# Altium PCB PCB_Kasli.PCBDOC (part 7 of 14)
Units mm, origin at the board's own origin, x right, y up, seen from the top; angles counter-clockwise.
Board outline 162.29 x 100 mm, 6 copper layers (TopLayer, MidLayer1, MidLayer2, SignalLayer1, Internal Plane 1, BottomLayer), stack 1.528 mm thick; 646 components, 567 nets, 2756 pads, 1560 vias.
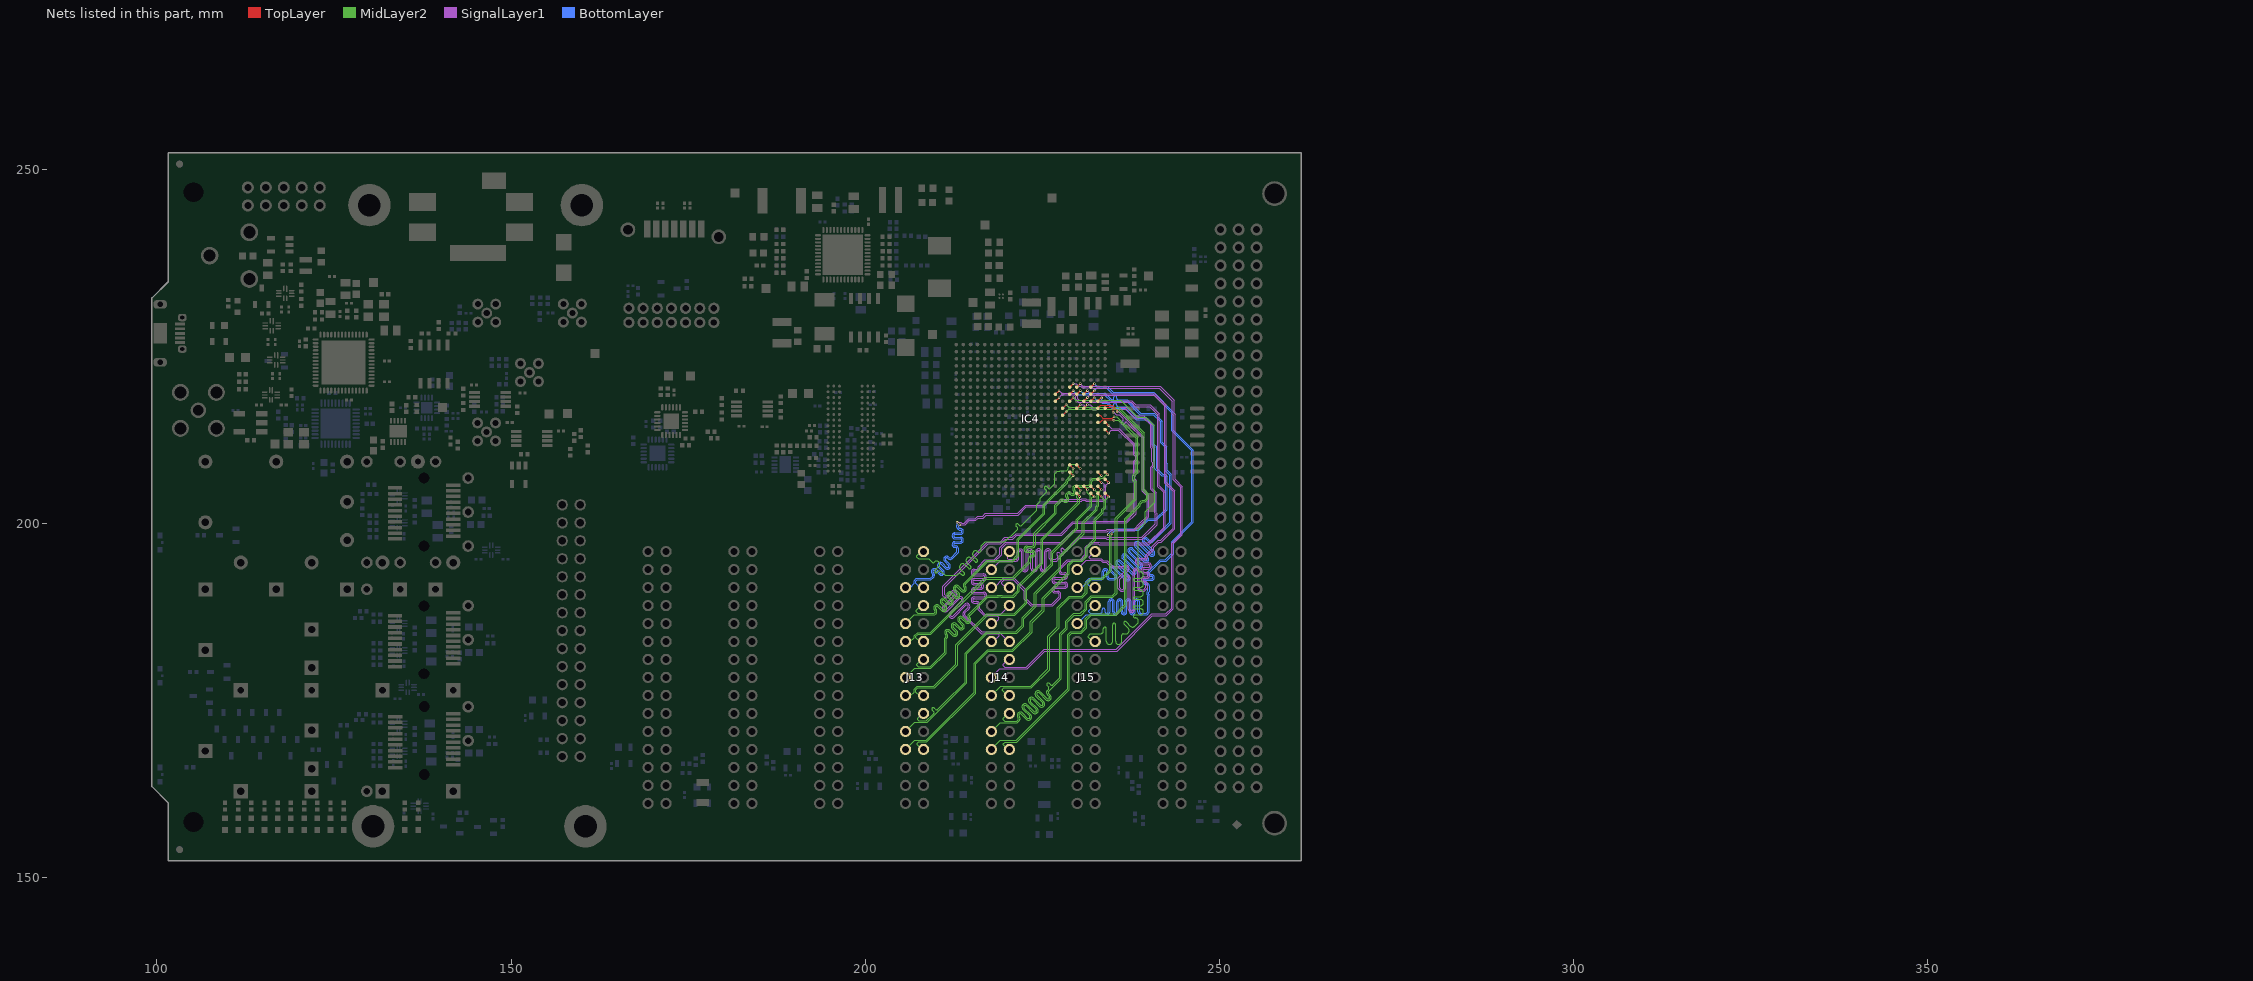
[diagram p11: the nets of this part, all layers, seen from the top]

## Via types
v1: diameter 0.5, hole 0.2, TopLayer to BottomLayer, tented both sides, 724 vias
v2: diameter 0.35, hole 0.15, TopLayer to BottomLayer, tented both sides, 628 vias
v3: diameter 0.8, hole 0.5, TopLayer to BottomLayer, tented both sides, 122 vias
v4: diameter 0.8, hole 0.5, TopLayer to BottomLayer, 66 vias
v5: diameter 0.5, hole 0.2, TopLayer to BottomLayer, 20 vias

## Nets (pads, with @x,y where several pads share a name; then routed paths per layer and width w, separated by ;. In a path a pad name is that pad's centre, name@x,y a point inside that pad or via, vN(x,y) a via of type N, cw(c..) or ccw(c..) an arc to the next point about the centre after c; other vN are vias at no path point) (continued)
EXT4.LVDS_0_P: IC4.V18 J13.2 | length 45.1
  TopLayer w0.095: IC4.V18@229.872,208.315 v2(230.372,207.815)
  MidLayer2 w0.115: J13.2@207.899,196.088 207.315,195.504 207.315,195.275 207.537,195.053 208.973,195.053 209.455,194.571 ccw(c209.602,194.717) 209.749,194.571 209.784,194.606 cw(c210.097,194.293) 210.539,194.293 cw(c210.097,194.293) 210.41,193.98 209.879,193.45 ccw(c210.026,193.303) 209.879,193.157 ccw(c210.026,193.303) 210.173,193.157 210.208,193.192 cw(c210.521,192.879) 210.834,193.192 211.291,192.735 212.928,192.735 213.018,192.825 cw(c213.33,192.512) 213.643,192.825 213.679,192.789 ; 213.679,192.789 ccw(c213.825,192.936) 213.972,192.789 ccw(c213.825,192.936) 214.033,192.936 ccw(c213.825,192.936) 213.972,193.083 213.442,193.613 cw(c213.755,193.926) 213.442,194.239 cw(c213.755,193.926) 214.068,194.239 214.598,193.708 ccw(c214.745,193.855) 214.891,193.708 ; 214.892,193.709 ccw(c214.745,193.855) 214.952,193.855 ccw(c214.745,193.855) 214.891,194.002 214.361,194.532 cw(c214.674,194.845) 214.361,195.158 cw(c214.674,194.845) 214.987,195.158 215.517,194.628 ccw(c215.664,194.774) 215.81,194.627 ; 215.811,194.628 ccw(c215.664,194.774) 215.871,194.774 ccw(c215.664,194.774) 215.811,194.921 215.28,195.451 cw(c215.593,195.764) 215.28,196.077 cw(c215.593,195.764) 215.906,196.077 215.941,196.042 ccw(c216.088,196.189) 216.235,196.042 216.382,196.189 216.382,196.876 216.946,197.441 219.742,197.441 221.326,199.025 221.495,199.193 ccw(c221.348,199.34) 221.495,199.487 221.319,199.662 cw(c221.466,199.809) 221.319,199.956 cw(c221.466,199.809) 221.613,199.956 221.788,199.78 ccw(c221.935,199.927) 222.082,199.78 222.228,199.927 222.375,200.074 224.199,201.898 224.199,202.682 224.7,203.182 224.7,203.584 225.379,204.262 225.406,204.289 225.552,204.436 ccw(c225.406,204.583) 225.552,204.73 225.351,204.931 cw(c225.498,205.078) 225.351,205.225 cw(c225.498,205.078) 225.644,205.225 225.846,205.023 ccw(c225.993,205.17) 226.139,205.023 226.286,205.17 226.433,205.317 226.755,205.638 226.755,207.071 227.136,207.453 227.47,207.453 227.545,207.528 228.445,207.528 228.669,207.752 228.669,207.985 229.116,208.432 229.692,208.432 v2@230.31,207.815 ; v2@230.341,207.784 v2(230.372,207.815)
EXT4.LVDS_1_N: IC4.Y22 J13.6 | length 48.4
  TopLayer w0.095: IC4.Y22@233.872,206.315 v2(234.372,205.815)
  SignalLayer1 w0.115: v2@213.363,199.854 v2(213.363,199.87) 214.12,199.87 214.73,200.48 215.63,200.48 215.969,200.819 216.669,200.819 217.088,201.238 221.609,201.238 222.771,202.4 225.225,202.4 225.8,202.975 227.486,202.975 227.714,203.203 230.572,203.203 230.671,203.302 231.05,203.302 231.155,203.197 233.628,203.197 233.99,203.559 233.99,205.432 v2(234.372,205.815)
  BottomLayer w0.095: J13.6@208.244,191.008 207.721,191.008 207.137,191.592 207.137,191.897 207.323,192.083 209.286,192.083 209.68,192.478 ccw(c209.385,192.773) 209.802,192.773 ccw(c209.385,192.773) 209.68,193.068 209.62,193.129 cw(c209.76,193.268) 209.62,193.407 ; 209.62,193.408 cw(c209.76,193.268) 209.899,193.408 210.454,192.853 ccw(c210.75,193.148) 211.045,192.853 ccw(c210.75,193.148) 211.167,193.148 ccw(c210.75,193.148) 211.045,193.443 210.49,193.998 cw(c210.629,194.138) 210.489,194.277 ; 210.49,194.278 cw(c210.629,194.138) 210.769,194.278 211.324,193.723 ccw(c211.619,194.018) 211.915,193.723 ccw(c211.619,194.018) 212.037,194.018 ccw(c211.619,194.018) 211.915,194.313 211.36,194.868 cw(c211.499,195.008) 211.359,195.147 cw(c211.499,195.008) 211.639,195.147 211.699,195.087 ccw(c211.994,195.382) 212.289,195.087 213.182,195.98 213.182,196.467 ccw(c212.765,196.467) 212.765,196.885 212.68,196.885 cw(c212.68,197.082) 212.482,197.082 cw(c212.68,197.082) 212.68,197.28 213.465,197.28 ccw(c213.465,197.697) 213.882,197.697 ccw(c213.465,197.697) 213.465,198.115 212.68,198.115 cw(c212.68,198.312) 212.482,198.312 cw(c212.68,198.312) 212.68,198.51 213.465,198.51 ccw(c213.465,198.927) 213.882,198.927 ccw(c213.465,198.927) 213.465,199.345 213.38,199.345 cw(c213.38,199.542) 213.182,199.542 213.182,199.69 v2(213.363,199.87)
EXT4.LVDS_1_P: IC4.Y21 J13.5 | length 48.9
  TopLayer w0.095: IC4.Y21@232.872,206.315 v2(233.372,205.815)
  SignalLayer1 w0.115: v2@213.03,200.203 213.154,200.203 213.204,200.253 213.521,200.253 213.668,200.105 214.023,200.105 214.633,200.715 215.533,200.715 215.871,201.054 216.571,201.054 216.99,201.473 221.511,201.473 222.673,202.635 225.128,202.635 225.703,203.21 227.389,203.21 227.647,203.468 230.112,203.468 230.128,203.452 230.489,203.452 230.574,203.537 231.147,203.537 231.252,203.432 233.53,203.432 233.755,203.657 233.755,205.57 v2@233.441,205.884
  BottomLayer w0.095: J13.5@205.704,191.008 206.333,191.008 206.917,191.592 206.917,191.988 207.232,192.303 209.194,192.303 209.525,192.634 ccw(c209.385,192.773) 209.582,192.773 ccw(c209.385,192.773) 209.525,192.913 209.464,192.973 cw(c209.76,193.268) 209.464,193.563 cw(c209.76,193.268) 210.055,193.563 210.61,193.008 ccw(c210.75,193.148) 210.889,193.008 ccw(c210.75,193.148) 210.947,193.148 ccw(c210.75,193.148) 210.889,193.288 210.334,193.843 cw(c210.629,194.138) 210.334,194.433 cw(c210.629,194.138) 210.925,194.433 211.48,193.878 ccw(c211.619,194.018) 211.759,193.878 ccw(c211.619,194.018) 211.817,194.018 ccw(c211.619,194.018) 211.759,194.157 211.204,194.712 cw(c211.499,195.008) 211.204,195.303 cw(c211.499,195.008) 211.794,195.303 211.855,195.243 ccw(c211.994,195.382) 212.134,195.243 212.962,196.071 212.962,196.467 ccw(c212.765,196.467) 212.765,196.665 212.68,196.665 cw(c212.68,197.082) 212.262,197.082 cw(c212.68,197.082) 212.68,197.5 213.465,197.5 ccw(c213.465,197.697) 213.662,197.697 ccw(c213.465,197.697) 213.465,197.895 212.68,197.895 cw(c212.68,198.312) 212.262,198.312 cw(c212.68,198.312) 212.68,198.73 213.465,198.73 ccw(c213.465,198.927) 213.662,198.927 ccw(c213.465,198.927) 213.465,199.125 213.38,199.125 cw(c213.38,199.542) 212.962,199.542 212.962,199.781 212.99,199.809 212.99,200.163 213.001,200.174 v2@213.03,200.203
  other v2: 212.975,200.2
EXT4.LVDS_2_N: IC4.W17 J13.9 | length 43.8
  TopLayer w0.095: IC4.W17@228.872,207.315 v2(229.372,206.815)
  MidLayer2 w0.115: J13.9@205.704,185.928 206.942,187.166 209.848,187.166 210.007,187.324 ccw(c209.694,187.637) 210.136,187.637 ccw(c209.694,187.637) 210.007,187.95 209.971,187.986 cw(c210.118,188.132) 209.971,188.279 ; 209.971,188.279 cw(c210.118,188.132) 210.265,188.279 210.795,187.749 ccw(c211.108,188.062) 211.421,187.749 ccw(c211.108,188.062) 211.55,188.062 ccw(c211.108,188.062) 211.421,188.374 210.89,188.905 cw(c211.037,189.051) 210.89,189.198 ; 210.891,189.199 cw(c211.037,189.051) 211.184,189.198 211.714,188.668 ccw(c212.027,188.981) 212.34,188.668 ccw(c212.027,188.981) 212.47,188.981 ccw(c212.027,188.981) 212.34,189.294 211.81,189.824 cw(c211.956,189.971) 211.809,190.117 ; 211.81,190.117 cw(c211.956,189.971) 212.103,190.117 212.633,189.587 ccw(c212.946,189.9) 213.259,189.587 ccw(c212.946,189.9) 213.389,189.9 ccw(c212.946,189.9) 213.259,190.213 212.729,190.743 cw(c212.876,190.89) 212.728,191.036 ; 212.729,191.037 cw(c212.876,190.89) 213.022,191.037 213.553,190.506 ccw(c213.866,190.819) 214.179,190.506 ccw(c213.866,190.819) 214.308,190.819 ccw(c213.866,190.819) 214.179,191.132 214.143,191.168 cw(c214.29,191.314) 214.143,191.461 217.341,194.659 220.845,194.659 221.716,195.53 221.716,197.736 225.374,201.394 225.374,202.609 228.6,205.835 228.6,206.043 229.225,206.667 v2(229.372,206.815)
EXT4.LVDS_2_P: IC4.V17 J13.8 | length 43.7
  TopLayer w0.095: IC4.V17@228.872,208.315 v2(229.372,207.815)
  MidLayer2 w0.115: J13.8@207.874,188.468 207.239,187.833 207.239,187.579 207.416,187.401 209.751,187.401 209.84,187.491 ccw(c209.694,187.637) 209.901,187.637 ccw(c209.694,187.637) 209.84,187.784 209.805,187.819 cw(c210.118,188.132) 209.805,188.445 cw(c210.118,188.132) 210.431,188.445 210.961,187.915 ccw(c211.108,188.062) 211.254,187.914 ccw(c211.108,188.062) 211.315,188.062 ccw(c211.108,188.062) 211.255,188.208 210.724,188.739 cw(c211.037,189.051) 210.724,189.364 cw(c211.037,189.051) 211.35,189.364 211.88,188.834 ccw(c212.027,188.981) 212.174,188.834 ; 212.174,188.834 ccw(c212.027,188.981) 212.235,188.981 ccw(c212.027,188.981) 212.174,189.127 211.644,189.658 cw(c211.956,189.971) 211.644,190.284 cw(c211.956,189.971) 212.269,190.284 212.8,189.753 ccw(c212.946,189.9) 213.093,189.753 ; 213.093,189.753 ccw(c212.946,189.9) 213.154,189.9 ccw(c212.946,189.9) 213.093,190.047 212.563,190.577 cw(c212.876,190.89) 212.563,191.203 cw(c212.876,190.89) 213.189,191.203 213.719,190.673 ccw(c213.866,190.819) 214.012,190.672 ; 214.012,190.673 ccw(c213.866,190.819) 214.073,190.819 ccw(c213.866,190.819) 214.012,190.966 213.977,191.001 cw(c214.29,191.314) 213.977,191.627 217.244,194.894 220.748,194.894 221.481,195.627 221.481,197.833 225.139,201.492 225.139,202.707 228.365,205.933 228.365,206.14 228.99,206.765 228.99,206.973 229.372,207.356 v2(229.372,207.815)
EXT4.LVDS_3_N: IC4.W22 J13.12 | length 45.4
  TopLayer w0.095: IC4.W22@233.872,207.315 v2@234.252,206.935
  MidLayer2 w0.115: J13.12@208.244,183.388 207.696,183.388 207.162,183.921 207.162,184.097 207.488,184.423 209.292,184.423 217.064,192.195 220.909,192.195 223.358,194.644 223.358,195.128 cw(c223.566,195.128) 223.566,195.336 223.616,195.336 ccw(c223.616,195.778) 224.058,195.778 ccw(c223.616,195.778) 223.616,196.221 222.866,196.221 cw(c222.866,196.428) 222.866,196.636 223.616,196.636 ccw(c223.616,197.078) 224.058,197.078 224.058,198.554 226.981,201.477 226.981,202.514 227.662,203.195 cw(c227.809,203.048) 227.955,203.195 227.991,203.16 ccw(c228.304,203.473) 228.746,203.473 ccw(c228.304,203.473) 228.616,203.786 228.581,203.821 cw(c228.728,203.968) 228.581,204.114 228.705,204.238 cw(c228.802,204.141) 228.9,204.238 228.984,204.154 ccw(c229.297,204.466) 229.74,204.466 ccw(c229.297,204.466) 229.61,204.779 229.575,204.815 cw(c229.721,204.961) 229.575,205.108 229.664,205.197 230.098,205.197 230.122,205.173 230.634,205.173 230.658,205.197 231.641,205.197 231.99,205.546 231.99,205.973 232.214,206.197 233.087,206.197 233.322,206.432 233.53,206.432 234.033,206.935 v2(234.261,206.935)
EXT4.LVDS_3_P: IC4.W21 J13.11 | length 45.1
  TopLayer w0.095: IC4.W21@232.872,207.315 v2(233.372,206.815)
  MidLayer2 w0.115: J13.11@205.704,183.388 206.394,183.388 206.927,183.921 206.927,184.194 207.391,184.658 209.194,184.658 216.967,192.43 220.812,192.43 223.123,194.742 223.123,195.128 cw(c223.566,195.128) 223.566,195.571 223.616,195.571 ccw(c223.616,195.778) 223.823,195.778 ccw(c223.616,195.778) 223.616,195.986 222.866,195.986 cw(c222.866,196.428) 222.866,196.871 223.616,196.871 ccw(c223.616,197.078) 223.823,197.078 223.823,198.652 226.746,201.574 226.746,202.612 227.496,203.361 cw(c227.809,203.048) 228.121,203.361 228.157,203.326 ccw(c228.304,203.473) 228.45,203.326 ccw(c228.304,203.473) 228.511,203.473 ccw(c228.304,203.473) 228.45,203.619 228.415,203.655 cw(c228.728,203.968) 228.415,204.281 228.539,204.404 cw(c228.802,204.141) 229.066,204.404 229.15,204.32 ccw(c229.297,204.466) 229.444,204.319 ; 229.444,204.32 ccw(c229.297,204.466) 229.505,204.466 ccw(c229.297,204.466) 229.444,204.613 229.409,204.649 cw(c229.721,204.961) 229.409,205.274 229.567,205.432 230.195,205.432 230.22,205.408 230.536,205.408 230.561,205.432 231.544,205.432 231.755,205.643 231.755,206.071 232.116,206.432 232.99,206.432 v2(233.372,206.815)
EXT4.LVDS_4_N: IC4.AB18 J13.15 | length 46.4
  TopLayer w0.095: IC4.AB18@229.872,204.315 230.319,203.868 230.352,203.835 v2(230.286,203.835)
  MidLayer2 w0.115: J13.15@205.704,178.308 206.993,179.597 209.292,179.597 211.455,181.76 211.455,183.744 211.544,183.833 ccw(c211.231,184.146) 211.674,184.146 ccw(c211.231,184.146) 211.544,184.459 211.509,184.494 ; 211.509,184.494 cw(c211.656,184.641) 211.509,184.787 cw(c211.656,184.641) 211.802,184.788 212.333,184.257 ccw(c212.646,184.57) 212.959,184.257 ccw(c212.646,184.57) 213.088,184.57 ccw(c212.646,184.57) 212.959,184.883 212.428,185.413 cw(c212.575,185.56) 212.428,185.706 ; 212.429,185.707 cw(c212.575,185.56) 212.722,185.707 213.252,185.176 ccw(c213.565,185.489) 213.878,185.176 ccw(c213.565,185.489) 214.007,185.489 ccw(c213.565,185.489) 213.878,185.802 213.347,186.333 cw(c213.494,186.479) 213.347,186.626 ; 213.347,186.626 cw(c213.494,186.479) 213.641,186.626 214.171,186.096 ccw(c214.484,186.409) 214.797,186.096 ccw(c214.484,186.409) 214.927,186.409 ccw(c214.484,186.409) 214.797,186.721 214.762,186.757 cw(c214.908,186.904) 214.762,187.05 217.341,189.63 218.791,189.63 218.852,189.692 219.169,189.692 219.231,189.63 220.948,189.63 221.777,190.459 221.777,191.145 225.069,194.437 225.069,197.739 230.286,202.956 v2(230.286,203.835)
EXT4.LVDS_4_P: IC4.AA18 J13.14 | length 46.6
  TopLayer w0.095: IC4.AA18@229.872,205.315 230.378,204.809 v2(230.378,204.775)
  MidLayer2 w0.115: J13.14@208.244,180.848 207.95,180.848 207.289,180.188 207.289,180.01 207.467,179.832 209.194,179.832 211.22,181.858 211.22,183.841 211.378,183.999 ccw(c211.231,184.146) 211.439,184.146 ccw(c211.231,184.146) 211.378,184.293 211.343,184.328 cw(c211.656,184.641) 211.343,184.954 cw(c211.656,184.641) 211.969,184.954 212.499,184.423 ccw(c212.646,184.57) 212.792,184.423 ccw(c212.646,184.57) 212.853,184.57 ccw(c212.646,184.57) 212.792,184.717 212.262,185.247 cw(c212.575,185.56) 212.262,185.873 cw(c212.575,185.56) 212.888,185.873 213.418,185.343 ccw(c213.565,185.489) 213.712,185.343 ccw(c213.565,185.489) 213.772,185.489 ccw(c213.565,185.489) 213.712,185.636 213.181,186.166 cw(c213.494,186.479) 213.181,186.792 cw(c213.494,186.479) 213.807,186.792 214.337,186.262 ccw(c214.484,186.409) 214.63,186.261 ; 214.631,186.262 ccw(c214.484,186.409) 214.692,186.409 ccw(c214.484,186.409) 214.631,186.555 214.596,186.591 cw(c214.908,186.904) 214.596,187.216 217.244,189.865 218.693,189.865 218.755,189.927 219.266,189.927 219.328,189.865 220.851,189.865 221.542,190.557 221.542,191.242 224.834,194.534 224.834,197.836 230.051,203.053 230.051,203.529 229.904,203.677 229.904,203.993 230.128,204.217 230.234,204.217 230.378,204.362 v2(230.378,204.775)
EXT4.LVDS_5_N: IC4.AB20 J13.18 | length 43.7
  TopLayer w0.095: IC4.AB20@231.872,204.315 v2(232.372,203.815)
  MidLayer2 w0.115: J13.18@208.244,175.768 207.645,175.768 207.162,176.251 207.162,176.555 207.461,176.854 209.8,176.854 213.055,180.109 213.055,182.829 217.291,187.065 221.126,187.065 222.848,188.787 222.848,190.59 226.517,194.259 226.517,195.875 230.01,199.368 230.01,200.475 232.029,202.494 232.029,203.682 232.161,203.815 v2(232.372,203.815)
EXT4.LVDS_5_P: IC4.AA19 J13.17 | length 44.8
  TopLayer w0.095: IC4.AA19@230.872,205.315 v2(231.372,204.815)
  MidLayer2 w0.115: J13.17@205.704,175.768 206.445,175.768 206.927,176.251 206.927,176.653 207.363,177.089 209.702,177.089 212.82,180.207 212.82,182.927 217.193,187.3 221.029,187.3 222.613,188.884 222.613,190.687 226.282,194.357 226.282,195.972 227.834,197.524 229.775,199.465 229.775,200.572 231.794,202.591 231.794,203.993 231.372,204.415 v2(231.372,204.815)
EXT4.LVDS_6_N: IC4.AA21 J13.21 | length 49.8
  TopLayer w0.095: IC4.AA21@232.872,205.315 v2(233.372,204.815)
  MidLayer2 w0.115: J13.21@205.704,170.688 206.967,171.952 208.756,171.952 214.351,177.546 214.351,181.654 217.246,184.55 221.38,184.55 222.406,185.576 222.406,186.617 224.13,188.341 224.13,190.119 227.635,193.624 227.635,195.351 230.911,198.628 230.911,200.125 232.764,201.977 232.764,202.31 232.99,202.536 232.99,204.432 v2(233.372,204.815)
EXT4.LVDS_6_P: IC4.AA20 J13.20 | length 49.4
  TopLayer w0.095: IC4.AA20@231.872,205.315 v2(232.372,204.815)
  MidLayer2 w0.115: J13.20@208.102,173.228 207.416,172.542 207.416,172.364 207.594,172.187 208.659,172.187 209.547,173.075 209.674,173.201 ccw(c209.527,173.348) 209.674,173.495 209.472,173.696 cw(c209.619,173.843) 209.472,173.99 cw(c209.619,173.843) 209.766,173.99 209.967,173.788 ccw(c210.114,173.935) 210.261,173.788 210.407,173.935 210.701,174.228 210.825,174.353 210.972,174.499 211.199,174.726 214.116,177.643 214.116,181.752 217.149,184.785 221.283,184.785 222.171,185.673 222.171,186.715 223.895,188.438 223.895,190.216 227.4,193.722 227.4,195.449 230.676,198.725 230.676,200.222 232.529,202.075 232.529,202.407 232.755,202.633 232.755,204.432 v2(232.372,204.815)
EXT4.LVDS_7_N: IC4.AB22 J13.24 | length 51.6
  TopLayer w0.095: IC4.AB22@233.872,204.315 v2(234.372,203.815)
  MidLayer2 w0.115: J13.24@208.244,168.148 208.002,168.148 207.325,168.825 207.325,168.996 207.537,169.208 208.731,169.208 215.621,176.098 215.621,180.213 217.392,181.985 220.872,181.985 223.569,184.681 223.569,186.057 225.273,187.761 225.273,189.431 228.829,192.987 228.829,194.132 229.406,194.71 230.628,194.71 231.35,195.432 231.35,196.552 232.575,197.777 232.575,199.319 232.579,199.323 232.579,199.897 232.575,199.9 232.575,200.495 233.654,201.573 233.654,201.941 233.99,202.277 233.99,203.432 v2(234.372,203.815)
EXT4.LVDS_7_P: IC4.AB21 J13.23 | length 51.9
  TopLayer w0.095: IC4.AB21@232.872,204.315 v2(233.372,203.815)
  MidLayer2 w0.115: J13.23@205.704,168.148 206.999,169.443 208.633,169.443 215.386,176.196 215.386,180.31 217.295,182.22 220.775,182.22 223.334,184.779 223.334,186.154 225.038,187.858 225.038,189.528 228.594,193.084 228.594,194.23 229.309,194.945 230.53,194.945 231.115,195.529 231.115,196.649 232.34,197.874 232.34,199.416 232.344,199.42 232.344,199.799 232.34,199.803 232.34,200.627 233.419,201.706 233.419,202.038 233.755,202.374 233.755,203.432 v2(233.372,203.815)
EXT5.LVDS_0_N: IC4.K19 J14.3 | length 70.6
  TopLayer w0.095: IC4.K19@230.872,216.315 v2(231.372,216.815)
  SignalLayer1 w0.115: J14.3@217.823,193.548 219.011,194.735 221.259,194.735 ccw(c221.259,195.178) 221.702,195.178 221.702,195.981 cw(c221.909,195.981) 222.117,195.981 222.117,193.678 ccw(c222.559,193.678) 223.002,193.678 223.002,196.028 cw(c223.209,196.028) 223.417,196.028 223.417,193.678 ccw(c223.859,193.678) 224.302,193.678 224.302,196.028 cw(c224.509,196.028) 224.717,196.028 224.717,193.678 ccw(c225.159,193.678) 225.602,193.678 225.602,196.028 cw(c225.809,196.028) 226.017,196.028 226.017,195.178 ccw(c226.459,195.178) 226.459,194.735 227.024,194.735 227.256,194.968 227.283,194.968 227.358,195.042 ; 227.357,195.043 227.383,195.069 227.383,195.074 227.406,195.096 227.406,195.104 227.426,195.125 227.426,195.127 227.447,195.148 227.447,195.159 227.828,195.54 227.839,195.54 227.854,195.555 227.87,195.555 227.945,195.629 228.019,195.704 228.019,195.72 228.034,195.735 228.034,195.745 228.415,196.127 228.426,196.127 228.447,196.148 228.449,196.148 228.469,196.168 228.477,196.168 228.5,196.191 228.505,196.191 228.531,196.217 228.606,196.29 228.606,196.318 230.251,197.962 233.961,197.962 234.081,197.842 239.172,197.842 239.292,197.962 240.434,199.104 241.217,199.888 241.217,201.462 241.097,201.583 241.097,204.422 240.544,204.974 240.544,207.915 240.817,208.188 240.817,208.762 240.723,208.857 240.723,210.695 240.544,210.873 240.544,214.056 239.356,215.244 238.174,215.244 236.985,216.433 232.618,216.433 232.567,216.381 232.226,216.381 231.792,216.815 v2(231.372,216.815)
EXT5.LVDS_0_P: IC4.K18 J14.2 | length 70.2
  TopLayer w0.095: IC4.K18@229.872,216.315 v2(230.372,216.815)
  SignalLayer1 w0.115: J14.2@220.116,195.841 220.116,195.097 220.243,194.97 221.259,194.97 ccw(c221.259,195.178) 221.467,195.178 221.467,195.981 cw(c221.909,195.981) 222.352,195.981 222.352,193.678 ccw(c222.559,193.678) 222.767,193.678 222.767,196.028 cw(c223.209,196.028) 223.652,196.028 223.652,193.678 ccw(c223.859,193.678) 224.067,193.678 224.067,196.028 cw(c224.509,196.028) 224.952,196.028 224.952,193.678 ccw(c225.159,193.678) 225.367,193.678 225.367,196.028 cw(c225.809,196.028) 226.252,196.028 226.252,195.178 ccw(c226.459,195.178) 226.459,194.97 226.926,194.97 227.178,195.222 ccw(c227.031,195.369) 227.178,195.515 227.101,195.593 cw(c227.247,195.74) 227.101,195.886 cw(c227.247,195.74) 227.394,195.886 227.471,195.809 ccw(c227.618,195.956) 227.765,195.809 ccw(c227.618,195.956) 227.765,196.102 227.688,196.18 cw(c227.834,196.326) 227.688,196.473 cw(c227.834,196.326) 227.981,196.473 228.058,196.396 ccw(c228.205,196.543) 228.352,196.396 228.456,196.5 230.153,198.197 234.058,198.197 234.178,198.077 239.074,198.077 240.982,199.985 240.982,201.365 240.861,201.486 240.861,204.324 240.309,204.876 240.309,208.012 240.582,208.286 240.582,208.665 240.487,208.76 240.487,210.598 240.309,210.776 240.309,213.958 239.259,215.009 238.076,215.009 236.888,216.198 232.715,216.198 232.664,216.146 232.129,216.146 231.842,216.433 231.214,216.433 230.831,216.815 v2(230.372,216.815)
EXT5.LVDS_1_N: IC4.H15 J14.6 | length 74.1
  TopLayer w0.095: IC4.H15@226.872,218.315 v2(227.372,218.815)
  SignalLayer1 w0.115: J14.6@220.363,191.008 219.867,191.008 219.304,191.571 219.304,191.77 219.653,192.119 220.878,192.119 222.498,190.5 222.498,189.336 223.397,188.436 226.462,188.436 227.609,189.583 227.609,190.043 ccw(c227.167,190.043) 227.167,190.485 226.817,190.485 cw(c226.817,190.693) 226.817,190.9 228.167,190.9 ccw(c228.167,191.343) 228.609,191.343 ccw(c228.167,191.343) 228.167,191.785 226.817,191.785 cw(c226.817,191.993) 226.817,192.2 228.167,192.2 ccw(c228.167,192.643) 228.609,192.643 ccw(c228.167,192.643) 228.167,193.085 227.793,193.085 cw(c227.793,193.269) 227.609,193.269 227.609,193.643 228.651,194.685 230.438,194.685 231.343,195.59 231.343,196.612 231.927,197.196 232.941,197.196 233.065,197.072 240.077,197.072 242.373,199.369 242.373,204.556 241.841,205.088 241.825,205.088 241.56,205.353 241.56,215.515 240.272,216.803 238.24,216.803 237.646,217.397 233.217,217.397 233.211,217.403 232.126,217.403 232.097,217.433 230.214,217.433 229.99,217.657 229.99,218.055 229.612,218.433 227.755,218.433 v2(227.372,218.815)
EXT5.LVDS_1_P: IC4.J15 J14.5 | length 73.7
  TopLayer w0.095: IC4.J15@226.872,217.315 v2(227.372,217.815)
  SignalLayer1 w0.115: J14.5@217.823,191.008 218.209,191.008 219.555,192.354 220.976,192.354 222.733,190.597 222.733,189.433 223.495,188.671 226.365,188.671 227.374,189.681 227.374,190.043 ccw(c227.167,190.043) 227.167,190.25 226.817,190.25 cw(c226.817,190.693) 226.817,191.135 228.167,191.135 ccw(c228.167,191.343) 228.374,191.343 ccw(c228.167,191.343) 228.167,191.55 226.817,191.55 cw(c226.817,191.993) 226.817,192.435 228.167,192.435 ccw(c228.167,192.643) 228.374,192.643 ccw(c228.167,192.643) 228.167,192.85 227.793,192.85 cw(c227.793,193.269) 227.374,193.269 227.374,193.741 228.553,194.92 230.34,194.92 231.108,195.687 231.108,196.71 231.829,197.431 231.927,197.431 233.039,197.431 233.162,197.307 239.979,197.307 242.138,199.466 242.138,204.459 241.744,204.853 241.727,204.853 241.325,205.255 241.325,215.417 240.175,216.568 238.143,216.568 237.549,217.162 233.119,217.162 233.113,217.168 232.029,217.168 232,217.198 230.116,217.198 229.755,217.559 229.755,217.957 229.514,218.198 227.755,218.198 v2(227.372,217.815)
EXT5.LVDS_2_N: IC4.K22 J14.9 | length 68.6
  TopLayer w0.095: IC4.K22@233.872,216.315 234.032,216.475 234.85,216.475 235.011,216.314 v2(235.011,215.761)
  SignalLayer1 w0.115: J14.9@218.288,185.928 218.897,186.538 218.897,186.766 218.65,187.014 216.819,187.014 215.944,187.888 215.944,188.595 ccw(c215.737,188.595) 215.737,188.803 215.387,188.803 cw(c215.387,189.245) 215.387,189.688 216.737,189.688 ccw(c216.737,189.895) 216.944,189.895 ccw(c216.737,189.895) 216.737,190.103 215.387,190.103 cw(c215.387,190.545) 215.387,190.988 216.284,190.988 ccw(c216.284,191.195) 216.492,191.195 ccw(c216.284,191.195) 216.284,191.403 215.387,191.403 cw(c215.387,191.845) 215.387,192.288 216.686,192.288 ccw(c216.686,192.495) 216.893,192.495 ccw(c216.686,192.495) 216.686,192.703 215.387,192.703 cw(c215.387,193.145) 215.387,193.588 215.812,193.588 ccw(c215.812,193.72) 215.944,193.72 215.944,193.944 216.92,194.92 218.221,194.92 219.021,195.719 219.021,196.644 219.807,197.431 227.705,197.431 229.367,199.092 234.071,199.092 234.206,199.227 237.961,199.227 238.785,200.05 239.813,201.079 239.813,203.928 239.116,204.625 239.116,212.166 237.253,214.028 236.987,214.295 ccw(c236.84,214.148) 236.694,214.295 236.492,214.093 cw(c236.345,214.24) 236.199,214.093 cw(c236.345,214.24) 236.199,214.387 236.4,214.588 ccw(c236.254,214.735) 236.4,214.882 236.254,215.028 236.107,215.175 235.854,215.428 235.428,215.428 235.096,215.761 v2(235.011,215.761)
EXT5.LVDS_2_P: IC4.K21 J14.8 | length 69.2
  TopLayer w0.095: IC4.K21@232.872,216.315 233.282,216.725 234.911,216.725 235.231,216.405 235.231,216.314 235.586,215.959 v2(235.586,215.811)
  SignalLayer1 w0.115: J14.8@220.363,188.468 219.144,187.249 216.916,187.249 216.179,187.985 216.179,188.595 ccw(c215.737,188.595) 215.737,189.038 215.387,189.038 cw(c215.387,189.245) 215.387,189.453 216.737,189.453 ccw(c216.737,189.895) 217.179,189.895 ccw(c216.737,189.895) 216.737,190.338 215.387,190.338 cw(c215.387,190.545) 215.387,190.753 216.284,190.753 ccw(c216.284,191.195) 216.727,191.195 ccw(c216.284,191.195) 216.284,191.638 215.387,191.638 cw(c215.387,191.845) 215.387,192.053 216.686,192.053 ccw(c216.686,192.495) 217.128,192.495 ccw(c216.686,192.495) 216.686,192.938 215.387,192.938 cw(c215.387,193.145) 215.387,193.353 215.812,193.353 ccw(c215.812,193.72) 216.179,193.72 216.179,193.846 217.018,194.685 218.318,194.685 219.256,195.622 219.256,196.547 219.904,197.196 227.803,197.196 229.464,198.857 234.168,198.857 234.234,198.923 ; 234.234,198.926 234.237,198.926 234.303,198.992 238.059,198.992 240.048,200.982 240.048,204.025 239.351,204.722 239.351,212.264 235.804,215.811 v2(235.586,215.811)
EXT5.LVDS_3_N: IC4.M22 J14.12 | length 73.3
  TopLayer w0.095: IC4.M22@233.872,214.315 234.327,213.86 v2(234.411,213.86)
  SignalLayer1 w0.115: 211.175,187.897 ccw(c211.321,188.044) 211.468,187.897 213.129,189.559 cw(c213.442,189.246) 213.755,189.559 cw(c213.442,189.246) 213.885,189.246 cw(c213.442,189.246) 213.755,188.933 212.094,187.272 ccw(c212.24,187.125) 212.094,186.978 ccw(c212.24,187.125) 212.387,186.978 214.049,188.64 cw(c214.362,188.327) 214.804,188.327 cw(c214.362,188.327) 214.674,188.014 214.073,187.413 ccw(c214.22,187.266) 214.073,187.12 216.459,184.734 218.849,184.734 220.195,183.388 J14.12@220.363,183.388 ; 211.174,187.897 cw(c211.321,188.044) 211.174,188.191 212.836,189.853 ccw(c212.523,190.165) 212.966,190.165 ccw(c212.523,190.165) 212.836,190.478 ccw(c212.523,190.165) 212.21,190.478 211.609,189.877 cw(c211.462,190.024) 211.316,189.877 211.226,189.967 211.226,191.076 217.35,197.2 219.14,197.2 219.782,197.842 220.876,197.842 221.433,198.399 227.724,198.399 229.407,200.082 232.215,200.082 232.283,200.15 236.95,200.15 238.258,201.458 238.258,206.126 238.04,206.344 238.04,206.66 238.131,206.751 238.131,208.739 238.443,209.05 238.443,209.562 238.131,209.873 238.131,211.184 235.86,213.455 234.817,213.455 v2(234.411,213.86)
EXT5.LVDS_3_P: IC4.N22 J14.11 | length 72.9
  TopLayer w0.095: IC4.N22@233.872,213.315 v2(234.372,212.815)
  SignalLayer1 w0.115: 211.775,189.711 cw(c211.462,190.024) 211.15,189.711 210.991,189.869 210.991,191.174 217.253,197.435 219.043,197.435 219.685,198.077 220.778,198.077 221.336,198.634 227.627,198.634 229.31,200.317 232.118,200.317 232.186,200.385 236.853,200.385 238.023,201.556 238.023,206.028 237.805,206.246 237.805,206.758 237.896,206.849 237.896,208.836 238.208,209.148 238.208,209.464 237.896,209.776 237.896,211.087 235.763,213.22 234.777,213.22 v2(234.372,212.815) ; 211.776,189.711 212.376,190.312 cw(c212.523,190.165) 212.669,190.313 ; 212.67,190.312 cw(c212.523,190.165) 212.731,190.165 cw(c212.523,190.165) 212.67,190.019 211.008,188.357 ccw(c211.321,188.044) 211.008,187.731 ccw(c211.321,188.044) 211.634,187.731 213.296,189.393 cw(c213.442,189.246) 213.589,189.393 ; 213.589,189.393 cw(c213.442,189.246) 213.65,189.246 cw(c213.442,189.246) 213.589,189.099 211.927,187.438 ccw(c212.24,187.125) 211.927,186.812 ccw(c212.24,187.125) 212.553,186.812 214.215,188.474 cw(c214.362,188.327) 214.508,188.474 ; 214.509,188.473 cw(c214.362,188.327) 214.569,188.327 cw(c214.362,188.327) 214.508,188.18 213.907,187.579 ccw(c214.22,187.266) 213.907,186.953 216.361,184.499 218.751,184.499 218.9,184.35 218.9,184.2 218.088,183.388 J14.11@217.823,183.388
EXT5.LVDS_4_N: IC4.G18 J14.15 | length 75.1
  TopLayer w0.095: IC4.G18@229.872,219.315 v2(230.372,219.815)
  SignalLayer1 w0.115: J14.15@217.823,178.308 219.036,179.521 222.853,179.521 225.378,182.045 235.563,182.045 240.557,187.039 242.532,187.039 243.494,188.002 243.494,197.163 244.798,198.466 244.798,205.265 243.768,206.295 243.768,207.508 243.771,207.511 243.771,208.084 243.768,208.087 243.768,215.436 243.618,215.586 243.618,217.44 241.654,219.403 232.203,219.403 232.174,219.433 230.755,219.433 v2(230.372,219.815)
EXT5.LVDS_4_P: IC4.G17 J14.14 | length 74.6
  TopLayer w0.095: IC4.G17@228.872,219.315 v2(229.372,219.815)
  SignalLayer1 w0.115: J14.14@220.363,180.848 220.218,180.848 219.532,180.162 219.532,179.959 219.735,179.756 222.756,179.756 225.284,182.284 229.48,182.284 229.484,182.28 235.466,182.28 240.46,187.274 242.434,187.274 243.259,188.099 243.259,197.26 244.563,198.563 244.563,205.167 243.532,206.198 243.532,207.605 243.535,207.608 243.535,207.987 243.532,207.99 243.532,215.339 243.383,215.489 243.383,217.343 241.557,219.168 232.106,219.168 232.076,219.198 230.657,219.198 230.424,219.431 230.216,219.431 229.831,219.815 v2(229.372,219.815)
EXT5.LVDS_5_N: IC4.J21 J14.18 | length 66.9
  TopLayer w0.095: IC4.J21@232.872,217.315 233.362,217.805 233.375,217.792 v2(233.375,217.78)
  MidLayer2 w0.115: J14.18@220.363,175.768 220.032,175.768 219.328,176.472 219.328,176.607 219.575,176.854 223.463,176.854 226.036,179.427 226.036,183.997 227.387,185.348 227.387,188.068 228.895,189.576 230.675,189.576 231.343,190.244 231.343,191.491 232.003,192.15 233.554,192.15 234.773,193.369 234.773,198.381 234.85,198.457 v2(234.85,198.6)
  BottomLayer w0.095: v2(233.375,217.78) 233.375,217.504 233.604,217.275 234.175,217.275 234.9,216.55 ccw(c234.9,216.748) 235.098,216.748 235.098,216.856 cw(c235.295,216.856) 235.295,217.053 cw(c235.295,216.856) 235.493,216.856 235.493,216.748 ccw(c235.69,216.748) 235.69,216.55 235.825,216.55 236.866,216.55 238.471,214.945 239.827,214.945 240.75,214.022 240.75,211.275 241.139,210.886 241.139,207.883 241.997,207.025 242.375,207.025 242.65,206.75 242.65,201.998 241.132,200.48 239.98,200.48 238.619,199.119 235.344,199.119 234.85,198.625 v2(234.85,198.6)
EXT5.LVDS_5_P: IC4.J20 J14.17 | length 67.1
  TopLayer w0.095: IC4.J20@231.872,217.315 v2(232.343,217.786)
  MidLayer2 w0.115: J14.17@217.823,175.768 219.144,177.089 223.365,177.089 225.801,179.524 225.801,184.094 227.152,185.445 227.152,188.165 228.797,189.811 230.578,189.811 231.108,190.341 231.108,191.588 231.905,192.385 233.457,192.385 234.538,193.466 234.538,198.258 v2(234.336,198.46)
  BottomLayer w0.095: v2(232.343,217.786) 232.361,217.786 232.757,217.39 233.177,217.39 233.513,217.055 234.084,217.055 234.809,216.33 236.684,216.33 238.289,214.725 239.736,214.725 240.53,213.931 240.53,211.184 240.919,210.794 240.919,207.792 241.906,206.805 242.284,206.805 242.43,206.659 242.43,202.089 241.041,200.7 239.889,200.7 238.528,199.339 235.253,199.339 234.994,199.081 234.804,199.081 234.336,198.613 v2(234.336,198.46)
EXT5.LVDS_6_N: IC4.L21 J14.21 | length 73.9
  TopLayer w0.095: IC4.L21@232.872,215.315 233.17,215.315 233.56,214.925 234.874,214.925 235.085,215.135 v2(235.136,215.135)
  MidLayer2 w0.115: J14.21@217.823,170.688 219.061,171.926 221.482,171.926 221.756,172.2 ccw(c221.443,172.513) 221.885,172.513 ccw(c221.443,172.513) 221.756,172.826 ; 221.746,173.128 ccw(c221.893,172.982) 221.747,172.835 ; 221.747,173.129 cw(c221.893,172.982) 222.04,173.129 222.756,172.413 ccw(c223.069,172.725) 223.512,172.725 ccw(c223.069,172.725) 223.382,173.038 222.428,173.993 cw(c222.574,174.14) 222.427,174.286 ; 222.428,174.286 cw(c222.574,174.14) 222.721,174.286 223.676,173.332 ccw(c223.988,173.645) 224.431,173.645 ccw(c223.988,173.645) 224.301,173.958 223.347,174.912 cw(c223.493,175.059) 223.346,175.205 ; 223.347,175.206 cw(c223.493,175.059) 223.64,175.206 224.595,174.251 ccw(c224.908,174.564) 225.35,174.564 ccw(c224.908,174.564) 225.221,174.877 224.266,175.831 cw(c224.413,175.978) 224.266,176.124 cw(c224.413,175.978) 224.559,176.125 225.514,175.17 ccw(c225.827,175.483) 226.269,175.483 ccw(c225.827,175.483) 226.14,175.796 225.892,176.044 cw(c226.039,176.19) 225.892,176.337 227.717,178.162 227.717,184.367 228.549,185.199 228.549,186.131 229.543,187.125 230.499,187.125 231.299,187.926 231.299,188.881 232.029,189.611 234.975,189.611 235.571,190.207 235.571,200.718 238.309,203.456 238.309,205.914 238.24,205.982 238.04,206.182 238.04,206.798 238.487,207.245 238.487,212.201 238.05,212.639 ; v2(235.136,215.135) 235.537,215.135 238.041,212.631
EXT5.LVDS_6_P: IC4.M21 J14.20 | length 73.1
  TopLayer w0.095: IC4.M21@232.872,214.315 233.17,214.315 233.56,214.705 235.042,214.705 v2@235.083,214.664 ; v2(235.111,214.635) v2@235.111,214.738
  MidLayer2 w0.115: J14.20@220.167,173.228 219.481,172.542 219.481,172.364 219.685,172.161 221.384,172.161 221.59,172.367 ccw(c221.443,172.513) 221.65,172.513 ccw(c221.443,172.513) 221.59,172.66 ; 221.581,172.669 cw(c221.893,172.982) 222.206,173.295 222.923,172.579 ccw(c223.069,172.725) 223.216,172.578 ; 223.216,172.579 ccw(c223.069,172.725) 223.277,172.725 ccw(c223.069,172.725) 223.216,172.872 222.261,173.827 cw(c222.574,174.14) 222.887,174.453 223.842,173.498 ccw(c223.988,173.645) 224.135,173.497 ; 224.135,173.498 ccw(c223.988,173.645) 224.196,173.645 ccw(c223.988,173.645) 224.135,173.791 223.181,174.746 cw(c223.493,175.059) 223.806,175.372 224.761,174.417 ccw(c224.908,174.564) 225.054,174.417 ccw(c224.908,174.564) 225.115,174.564 ccw(c224.908,174.564) 225.054,174.711 224.1,175.665 cw(c224.413,175.978) 224.726,176.291 225.68,175.336 ccw(c225.827,175.483) 225.973,175.336 ccw(c225.827,175.483) 226.034,175.483 ccw(c225.827,175.483) 225.974,175.63 225.726,175.877 cw(c226.039,176.19) 225.726,176.503 225.898,176.675 ccw(c225.751,176.822) 225.898,176.968 225.697,177.17 cw(c225.843,177.317) 225.697,177.463 cw(c225.843,177.317) 225.99,177.463 226.192,177.262 ccw(c226.338,177.409) 226.485,177.262 226.562,177.338 227.482,178.259 227.482,184.465 228.314,185.296 228.314,186.229 229.446,187.36 230.401,187.36 231.064,188.023 231.064,188.978 231.932,189.846 234.878,189.846 235.336,190.304 235.336,200.816 238.074,203.554 238.074,205.816 237.805,206.085 237.805,206.896 238.252,207.342 238.252,212.104 237.815,212.542 ; v2(235.111,214.635) 235.704,214.635 237.806,212.533
EXT5.LVDS_7_N: IC4.K16 J14.24 | length 71.3
  TopLayer w0.095: IC4.K16@227.872,216.315 v2(228.372,216.815)
  MidLayer2 w0.115: J14.24@220.363,168.148 220.202,168.148 219.525,168.825 219.525,168.925 219.783,169.183 221.405,169.183 228.829,176.606 228.829,184.22 229.159,184.55 230.526,184.55 231.318,185.342 231.318,186.487 231.921,187.09 235.452,187.09 236.88,188.519 236.88,200.628 238.843,202.59 238.843,202.74 239.207,203.104 239.584,203.104 239.989,203.51 239.989,204.285 239.377,204.898 239.377,212.89 236.204,216.063 236.204,216.066 235.838,216.433 232.594,216.433 232.543,216.381 232.226,216.381 232.175,216.433 228.755,216.433 v2(228.372,216.815)
EXT5.LVDS_7_P: IC4.L16 J14.23 | length 71.5
  TopLayer w0.095: IC4.L16@227.872,215.315 v2(228.372,215.815)
  MidLayer2 w0.115: J14.23@217.823,168.148 219.093,169.418 221.308,169.418 228.594,176.704 228.594,184.317 229.061,184.785 230.429,184.785 231.083,185.439 231.083,186.584 231.824,187.325 235.354,187.325 236.645,188.616 236.645,200.726 238.608,202.688 238.608,202.837 239.013,203.242 239.11,203.339 239.486,203.339 239.754,203.607 239.754,204.188 239.142,204.8 239.142,212.793 235.969,215.966 235.969,215.969 235.74,216.198 232.692,216.198 232.64,216.146 232.129,216.146 232.077,216.198 228.755,216.198 v2(228.372,215.815)
EXT6.LVDS_0_N: IC4.H19 J15.3 | length 78.2
  TopLayer w0.095: IC4.H19@230.872,218.315 v2(231.372,218.815)
  SignalLayer1 w0.115: J15.3@229.943,193.548 231.238,194.843 233.267,194.843 233.528,194.583 234.058,194.583 234.848,193.793 236.609,193.793 236.678,193.862 cw(c236.825,193.715) 236.971,193.862 ; 231.706,218.481 v2(231.372,218.815) 231.784,218.403 233.283,218.403 233.289,218.397 240.91,218.397 242.535,216.772 242.535,205.851 243.706,204.681 243.706,199.306 241.825,197.425 241.475,197.425 240.725,196.675 240.725,196.325 239.875,195.475 239.875,195.349 cw(c239.434,195.349) 239.434,194.908 238.582,194.908 ccw(c238.582,194.7) 238.582,194.493 239.991,194.493 cw(c239.991,194.05) 240.434,194.05 cw(c239.991,194.05) 239.991,193.608 239.385,193.608 ccw(c239.385,193.4) 239.385,193.193 239.757,193.193 cw(c239.757,192.782) 240.168,192.782 240.168,192.718 cw(c239.757,192.718) 239.757,192.308 239.391,192.308 ccw(c239.391,192.1) 239.391,191.893 239.432,191.893 cw(c239.432,191.45) 239.875,191.45 239.875,190.955 239.414,190.494 238.921,190.494 cw(c238.921,190.936) 238.478,190.936 238.478,193.286 ccw(c238.271,193.286) 238.063,193.286 238.063,187.936 cw(c237.621,187.936) 237.178,187.936 237.178,192.341 ccw(c236.971,192.341) 236.763,192.341 236.763,190.936 cw(c236.321,190.936) 236.321,190.494 236.097,190.494 235.701,190.89 235.701,192.298 236.971,193.569 ccw(c236.825,193.715) 237.032,193.715 ccw(c236.825,193.715) 236.971,193.862
EXT6.LVDS_0_P: IC4.J19 J15.2 | length 76
  TopLayer w0.095: IC4.J19@230.872,217.315 v2(231.372,217.815)
  SignalLayer1 w0.115: v2(231.372,217.815) 231.725,218.168 233.186,218.168 ; J15.2@232.483,196.088 232.385,196.088 231.673,195.377 231.673,195.199 231.794,195.078 233.365,195.078 233.625,194.818 234.156,194.818 234.945,194.028 236.512,194.028 cw(c236.825,193.715) 237.138,194.028 cw(c236.825,193.715) 237.267,193.715 cw(c236.825,193.715) 237.138,193.402 235.936,192.2 235.936,190.988 236.195,190.729 236.321,190.729 ccw(c236.321,190.936) 236.528,190.936 236.528,192.341 cw(c236.971,192.341) 237.413,192.341 237.413,187.936 ccw(c237.621,187.936) 237.828,187.936 237.828,193.286 cw(c238.271,193.286) 238.713,193.286 238.713,190.936 ccw(c238.921,190.936) 238.921,190.729 239.317,190.729 239.64,191.052 239.64,191.45 ccw(c239.432,191.45) 239.432,191.658 239.391,191.658 cw(c239.391,192.1) 239.391,192.543 239.757,192.543 ccw(c239.757,192.718) 239.933,192.718 239.933,192.782 ccw(c239.757,192.782) 239.757,192.958 239.385,192.958 cw(c239.385,193.4) 239.385,193.843 239.991,193.843 ccw(c239.991,194.05) 240.199,194.05 ccw(c239.991,194.05) 239.991,194.258 238.582,194.258 cw(c238.582,194.7) 238.582,195.143 239.434,195.143 ccw(c239.434,195.349) 239.64,195.349 239.64,195.572 240.49,196.422 240.49,196.772 241.378,197.66 241.728,197.66 243.471,199.403 243.471,204.583 242.3,205.754 242.3,216.675 240.813,218.162 233.186,218.162
EXT6.LVDS_1_N: IC4.H18 J15.6 | length 77.9
  TopLayer w0.095: IC4.H18@229.872,218.315 v2(230.372,218.815)
  BottomLayer w0.095: v2(230.372,218.815) 230.762,218.425 232.195,218.425 232.207,218.413 233.928,218.413 234.832,217.509 234.925,217.509 ccw(c234.925,217.707) 235.122,217.707 235.122,217.9 cw(c235.32,217.9) 235.32,218.097 cw(c235.32,217.9) 235.517,217.9 235.517,217.707 ccw(c235.715,217.707) 235.715,217.509 235.912,217.509 236,217.509 237.016,217.509 238.88,215.645 240.805,215.645 241.95,214.5 241.95,211.545 242.616,210.879 242.616,208.526 242.625,208.517 242.625,207.594 243.25,206.969 243.25,200.114 240.607,197.471 cw(c240.312,197.766) 240.017,197.471 239.657,197.831 ccw(c239.517,197.691) 239.377,197.831 ccw(c239.517,197.691) 239.377,197.551 240.798,196.131 cw(c240.503,195.836) 240.92,195.836 cw(c240.503,195.836) 240.798,195.54 cw(c240.503,195.836) 240.207,195.54 238.521,197.227 ccw(c238.381,197.087) 238.242,197.227 ; J15.6@232.483,191.008 231.902,191.008 231.369,191.541 231.369,191.719 231.758,192.109 233.299,192.109 ccw(c233.299,192.526) 233.716,192.526 233.716,193.236 cw(c233.914,193.236) 233.914,193.434 cw(c233.914,193.236) 234.112,193.236 234.112,192.526 ccw(c234.529,192.526) 234.529,192.109 235.245,192.109 235.389,192.252 ccw(c235.093,192.548) 235.511,192.548 ccw(c235.093,192.548) 235.389,192.843 234.763,193.469 cw(c234.902,193.608) 234.762,193.747 ; 234.763,193.748 cw(c234.902,193.608) 235.042,193.748 236.728,192.061 ccw(c237.024,192.357) 237.319,192.061 ccw(c237.024,192.357) 237.441,192.357 ccw(c237.024,192.357) 237.319,192.652 235.632,194.338 cw(c235.772,194.478) 235.632,194.617 cw(c235.772,194.478) 235.912,194.618 237.598,192.931 ccw(c237.893,193.226) 238.189,192.931 ccw(c237.893,193.226) 238.311,193.226 ccw(c237.893,193.226) 238.189,193.522 236.502,195.208 cw(c236.642,195.348) 236.502,195.487 ; 236.503,195.488 cw(c236.642,195.348) 236.782,195.487 238.468,193.801 ccw(c238.763,194.096) 239.181,194.096 ccw(c238.763,194.096) 239.058,194.391 237.372,196.078 cw(c237.512,196.217) 237.372,196.357 cw(c237.512,196.217) 237.651,196.357 239.338,194.671 ccw(c239.633,194.966) 239.928,194.671 ccw(c239.633,194.966) 240.05,194.966 ccw(c239.633,194.966) 239.928,195.261 238.242,196.948 cw(c238.381,197.087) 238.241,197.226
EXT6.LVDS_1_P: IC4.H17 J15.5 | length 77.9
  TopLayer w0.095: IC4.H17@228.872,218.315 v2(229.372,218.815)
  BottomLayer w0.095: v2(229.372,218.815) 229.982,218.205 232.104,218.205 232.116,218.193 233.837,218.193 234.741,217.289 236.924,217.289 238.789,215.425 240.714,215.425 241.73,214.409 241.73,211.454 242.396,210.788 242.396,208.435 242.405,208.426 242.405,207.503 243.03,206.878 243.03,200.205 240.451,197.626 cw(c240.312,197.766) 240.172,197.626 239.812,197.986 ccw(c239.517,197.691) 239.222,197.986 ccw(c239.517,197.691) 239.222,197.396 240.642,195.975 cw(c240.503,195.836) 240.7,195.836 cw(c240.503,195.836) 240.642,195.696 cw(c240.503,195.836) 240.363,195.696 238.677,197.382 ccw(c238.381,197.087) 238.086,197.382 ccw(c238.381,197.087) 238.086,196.792 239.773,195.106 cw(c239.633,194.966) 239.83,194.966 cw(c239.633,194.966) 239.773,194.826 ; J15.5@229.943,191.008 230.615,191.008 231.149,191.541 231.149,191.81 231.667,192.329 233.299,192.329 ccw(c233.299,192.526) 233.497,192.526 233.497,193.236 cw(c233.914,193.236) 233.914,193.654 cw(c233.914,193.236) 234.332,193.236 234.332,192.526 ccw(c234.529,192.526) 234.529,192.329 235.154,192.329 235.233,192.408 ccw(c235.093,192.548) 235.291,192.548 ccw(c235.093,192.548) 235.233,192.687 234.607,193.313 cw(c234.902,193.608) 234.607,193.903 cw(c234.902,193.608) 235.198,193.903 236.884,192.217 ccw(c237.024,192.357) 237.163,192.217 ; 237.163,192.217 ccw(c237.024,192.357) 237.221,192.357 ccw(c237.024,192.357) 237.163,192.496 235.477,194.183 cw(c235.772,194.478) 235.477,194.773 cw(c235.772,194.478) 236.067,194.773 237.754,193.087 ccw(c237.893,193.226) 238.033,193.086 ; 238.033,193.087 ccw(c237.893,193.226) 238.091,193.226 ccw(c237.893,193.226) 238.033,193.366 236.347,195.053 cw(c236.642,195.348) 236.347,195.643 cw(c236.642,195.348) 236.937,195.643 238.624,193.957 ccw(c238.763,194.096) 238.902,193.956 ; 238.903,193.957 ccw(c238.763,194.096) 238.961,194.096 ccw(c238.763,194.096) 238.903,194.236 237.216,195.922 cw(c237.512,196.217) 237.216,196.513 cw(c237.512,196.217) 237.807,196.513 239.493,194.826 ccw(c239.633,194.966) 239.772,194.826
EXT6.LVDS_2_N: IC4.G20 J15.9 | length 72.9
  TopLayer w0.095: IC4.G20@231.872,219.315 232.343,219.786 v2(232.361,219.786)
  BottomLayer w0.095: J15.9@229.943,185.928 231.196,187.181 234.168,187.181 ccw(c234.168,187.589) 234.575,187.589 234.575,188.994 cw(c234.763,188.994) 234.95,188.994 234.95,187.589 ccw(c235.358,187.589) 235.765,187.589 235.765,188.994 cw(c235.953,188.994) 236.14,188.994 236.14,187.589 ccw(c236.548,187.589) 236.955,187.589 236.955,188.994 cw(c237.143,188.994) 237.33,188.994 237.33,187.589 ccw(c237.738,187.589) 238.145,187.589 238.145,188.994 cw(c238.333,188.994) 238.52,188.994 238.52,187.589 ccw(c238.928,187.589) 238.928,187.181 239.81,187.181 240.132,187.503 240.132,189.967 240.052,190.046 240.052,190.354 240.132,190.433 240.132,191.233 ccw(c239.724,191.233) 239.724,191.64 239.619,191.64 cw(c239.619,191.828) 239.619,192.015 240.424,192.015 ccw(c240.424,192.423) 240.832,192.423 ccw(c240.424,192.423) 240.424,192.83 240.319,192.83 cw(c240.319,193.018) 240.132,193.018 240.132,193.13 241.732,194.73 242.497,194.73 243.554,195.788 243.554,197.443 246.339,200.228 246.339,210.397 243.525,213.211 243.525,215.761 240.725,218.561 238.741,218.561 235,218.561 234.151,219.41 232.737,219.41 v2(232.361,219.786)
EXT6.LVDS_2_P: IC4.H20 J15.8 | length 72.5
  TopLayer w0.095: IC4.H20@231.872,218.315 232.343,218.786 v2(232.361,218.786)
  BottomLayer w0.095: v2(232.361,218.786) 232.361,218.804 232.747,219.19 234.06,219.19 234.909,218.341 240.634,218.341 243.305,215.67 243.305,213.12 246.119,210.306 246.119,200.319 243.27,197.47 243.27,195.815 242.405,194.95 241.641,194.95 239.912,193.221 239.912,193.018 ccw(c240.319,193.018) 240.319,192.61 240.424,192.61 cw(c240.424,192.423) 240.612,192.423 cw(c240.424,192.423) 240.424,192.235 239.619,192.235 ccw(c239.619,191.828) 239.619,191.42 239.724,191.42 cw(c239.724,191.233) 239.912,191.233 239.912,190.525 239.832,190.445 239.832,189.955 239.912,189.875 239.912,187.594 239.719,187.401 238.928,187.401 cw(c238.928,187.589) 238.74,187.589 238.74,188.994 ccw(c238.333,188.994) 237.925,188.994 237.925,187.589 cw(c237.738,187.589) 237.55,187.589 237.55,188.994 ccw(c237.143,188.994) 236.735,188.994 236.735,187.589 cw(c236.548,187.589) 236.36,187.589 236.36,188.994 ccw(c235.953,188.994) 235.545,188.994 235.545,187.589 cw(c235.358,187.589) 235.17,187.589 235.17,188.994 ccw(c234.763,188.994) 234.355,188.994 234.355,187.589 cw(c234.168,187.589) 234.168,187.401 234.01,187.401 cw(c234.01,187.544) 233.868,187.544 233.868,187.904 ccw(c233.67,187.904) 233.67,188.101 ccw(c233.67,187.904) 233.472,187.904 233.472,187.599 cw(c233.275,187.599) 233.275,187.401 231.75,187.401 231.572,187.579 231.572,187.731 232.308,188.468 J15.8@232.483,188.468
EXT6.LVDS_3_N: IC4.J17 J15.12 | length 74.7
  TopLayer w0.095: IC4.J17@228.872,217.315 v2(229.362,217.805)
  MidLayer2 w0.115: v2(229.362,217.805) 229.382,217.805 229.755,217.433 232.155,217.433 232.184,217.403 233.211,217.403 233.217,217.397 233.534,217.397 233.569,217.433 236.112,217.433 238.51,215.035 239.621,215.035 240.824,213.832 240.824,204.709 240.879,204.654 240.879,203.031 240.824,202.976 239.542,201.694 239.542,200.172 238.582,199.212 238.582,193.429 ccw(c238.79,193.429) 238.79,193.221 238.84,193.221 cw(c238.84,192.779) 239.282,192.779 cw(c238.84,192.779) 238.84,192.336 238.09,192.336 ccw(c238.09,192.129) 238.09,191.921 238.84,191.921 cw(c238.84,191.479) 239.282,191.479 cw(c238.84,191.479) 238.84,191.036 238.09,191.036 ccw(c238.09,190.829) 238.09,190.621 238.84,190.621 cw(c238.84,190.179) 239.282,190.179 cw(c238.84,190.179) 238.84,189.736 238.09,189.736 ccw(c238.09,189.529) 238.09,189.321 238.84,189.321 cw(c238.84,188.879) 239.282,188.879 cw(c238.84,188.879) 238.84,188.436 238.09,188.436 ccw(c238.09,188.229) 238.09,188.021 238.84,188.021 cw(c238.84,187.579) 239.282,187.579 cw(c238.84,187.579) 238.84,187.136 238.09,187.136 ccw(c238.09,186.929) 238.09,186.721 238.14,186.721 cw(c238.14,186.279) 238.582,186.279 238.582,186.055 238.078,185.551 cw(c237.766,185.864) 237.453,185.551 236.852,186.152 ccw(c236.705,186.006) 236.558,186.152 ; J15.12@232.483,183.388 232.062,183.388 231.475,183.975 231.475,184.155 231.794,184.474 233.197,184.474 ccw(c233.197,184.916) 233.64,184.916 233.64,185.193 cw(c233.847,185.193) 234.055,185.193 234.055,183.416 ccw(c234.497,183.416) 234.94,183.416 234.94,185.766 cw(c235.147,185.766) 235.355,185.766 235.355,183.416 ccw(c235.797,183.416) 236.24,183.416 236.24,184.266 cw(c236.447,184.266) 236.447,184.474 237.001,184.474 237.159,184.632 ccw(c236.846,184.945) 237.289,184.945 ccw(c236.846,184.945) 237.159,185.258 236.558,185.859 cw(c236.705,186.006) 236.558,186.152